# Altium PCB 3-as-manufactured.pcbdoc (part 7 of 12)
Units mil, origin at the board's own origin, x right, y up, seen from the top; angles counter-clockwise.
Board outline 2728 x 2217 mil, 8 copper layers (L1_TOP, L2_GND, L3_INNER1, L4_GND, L5_PWR, L6_INNER2, L7_GND, L8_BOT), stack 48.618 mil thick; 227 components, 321 nets, 1592 pads, 1187 vias.
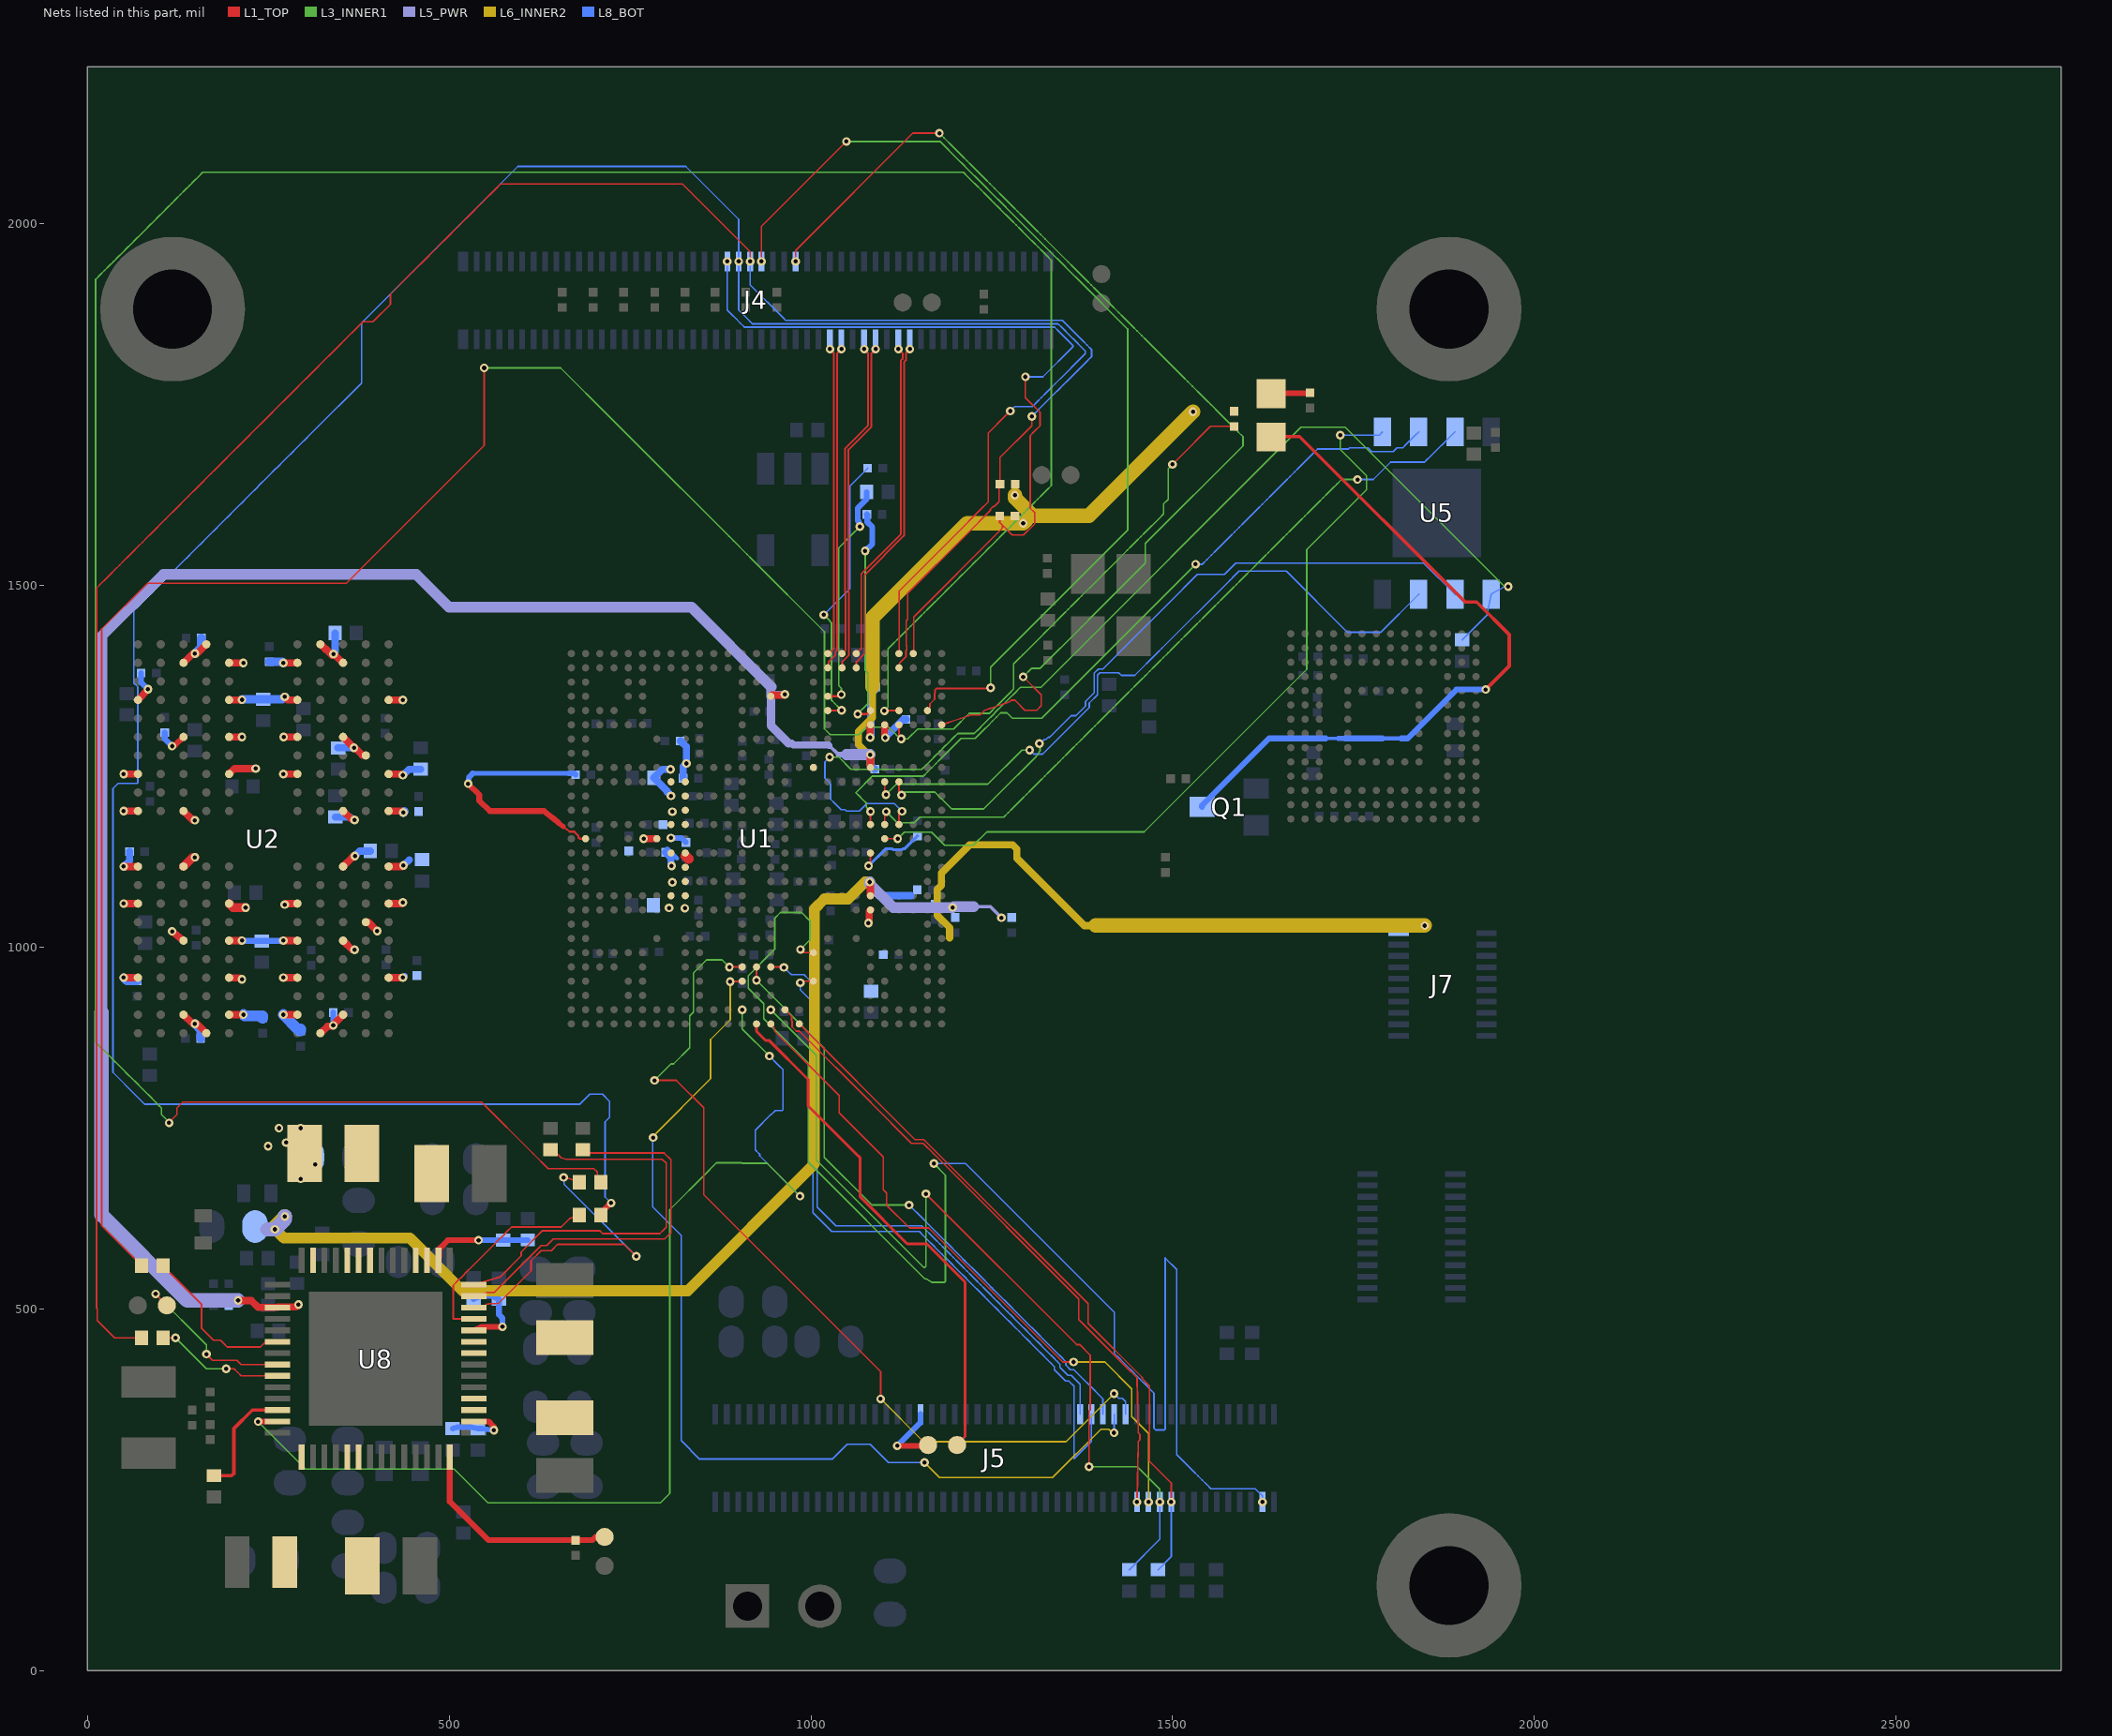
[diagram p13: the nets of this part, all layers, seen from the top]

## Via types
v1: diameter 12, hole 5.9, L1_TOP to L8_BOT, tented both sides, 1041 vias
v2: diameter 18, hole 8, L1_TOP to L8_BOT, tented both sides, 146 vias

## Nets (pads, with @x,y where several pads share a name; then routed paths per layer and width w, separated by ;. In a path a pad name is that pad's centre, name@x,y a point inside that pad or via, vN(x,y) a via of type N, cw(c..) or ccw(c..) an arc to the next point about the centre after c; other vN are vias at no path point) (continued)
JTAG_TDO: J4.52 U1.E26 | length 1395.5
  L1_TOP w2.2: v1(931.76,1947.75) 931.77,1996.19 1042.57,2106.99 v1(1049.09,2113.51) ; U1.E26@1161.11,1327.06 1161.1,1328.88 1164.46,1332.23 1164.46,1336.17 1170.95,1342.67 1170.95,1350.83 1171.56,1351.43 1171.56,1355.6 1173.4,1357.45 1189.84,1357.45 1222.71,1357.45 1239.15,1357.45 1247.37,1357.45 v1(1248.45,1358.53)
  L3_INNER1 w2.2: v1(1049.09,2113.51) 1135.34,2113.51 1169.84,2113.51 1178.47,2113.51 1203.76,2088.21 1210.08,2081.89 1216.41,2075.57 1235.37,2056.6 1241.7,2050.28 1248.02,2043.95 1266.99,2024.98 1273.31,2018.66 1279.64,2012.34 1298.6,1993.37 1304.93,1987.05 1311.25,1980.72 1330.22,1961.75 1336.54,1955.43 1342.87,1949.11 1361.84,1930.14 1368.16,1923.82 1374.48,1917.49 1393.45,1898.52 1399.77,1892.2 1406.1,1885.88 1437.71,1854.26 1437.71,1845.29 1437.71,1791.48 1437.71,1755.6 1437.71,1710.76 1437.71,1580.7 1437.72,1576.21 1248.45,1386.94 v1(1248.45,1358.53)
JTAG_TMS: J4.58 U1.F27 | length 1542.6
  L1_TOP w2.2: v1(979.01,1947.75) 979.01,1963.01 1140.98,2124.98 v1(1177.56,2124.98) ; U1.F27@1180.8,1307.38 1189.32,1310.25 1197.84,1313.13 1206.36,1316 1214.87,1318.87 1217.94,1319.95 cw(c1220.94,1311.46) 1218.13,1320.02 1220.65,1320.84 1221.33,1320.95 1225,1320.95 1233.6,1320.95 1239.63,1326.98 1239.99,1327.34 1240.48,1327.51 1248.94,1330.36 1257.45,1333.23 1265.97,1336.1 1274.49,1338.98 1275.26,1339.74 1276.83,1341.31 1281.92,1341.31 1295.78,1327.45 1312.13,1327.45 1318.37,1333.69 1318.37,1348.68 v1(1293.38,1373.67)
  L3_INNER1 w2.2: v1(1177.56,2124.98) 1183.91,2118.62 1196.63,2105.91 1202.98,2099.55 1209.34,2093.19 1215.69,2086.84 1222.05,2080.48 1228.41,2074.13 1241.12,2061.41 1247.48,2055.06 1253.83,2048.7 1266.54,2035.99 1272.9,2029.63 1279.26,2023.28 1285.61,2016.92 1291.97,2010.56 1298.33,2004.21 1311.04,1991.49 1317.39,1985.14 1323.75,1978.78 1355.53,1947 1361.89,1940.64 1368.25,1934.29 1380.96,1921.58 1387.31,1915.22 1393.67,1908.86 1400.03,1902.51 1406.38,1896.15 1412.74,1889.79 1425.45,1877.08 1431.81,1870.73 1438.16,1864.37 1444.52,1858.01 1450.88,1851.66 1457.23,1845.3 1463.59,1838.94 1469.95,1832.59 1476.3,1826.23 1482.66,1819.88 1495.37,1807.16 1501.73,1800.81 1508.08,1794.45 1514.44,1788.09 1520.8,1781.74 1527.15,1775.38 1539.86,1762.67 1546.22,1756.31 1552.58,1749.96 1565.29,1737.24 1571.65,1730.89 1578,1724.53 1584.36,1718.17 1590.71,1711.82 1597.07,1705.46 1597.07,1692.75 1462.3,1557.97 1462.3,1530.86 1386.47,1455.03 1380.15,1448.71 1373.83,1442.39 1316.96,1385.51 1311.09,1385.51 1305.22,1385.51 v1(1293.38,1373.67)
LX1: L5.1 U8.36 U8.37
LX2: L6.1 U8.45 U8.46
LX3: L10.1 U8.31 U8.32
LX4: L11.1 U8.19 U8.20
LX5: L13.1 U8.15
M.2_32K_OUT: J5.37 R116.2 | length 100.3
  L1_TOP w8.05: v1(1119.23,310.93) 1128.94,310.93 1160.91,310.93 R116.2@1161.97,311.99
  L8_BOT w8.05: v1(1119.23,310.93) 1119.46,310.93 1151.52,342.99 J5.37@1151.53,354.53
NC1: U1.J18
NetC245_1: C245.1 U1.R22 | length 104.8
  L1_TOP w3: v1(1079.64,1112.35) 1082.37,1115.08 U1.R22@1082.37,1130.22
  L8_BOT w4.1: v1(1079.64,1112.35) 1103.14,1135.85 1112.66,1135.85 1113.66,1134.85 1126.14,1134.85 1127.2,1135.91 1129.39,1135.91 C245.1@1147.38,1153.9
NetC268_1: C268.1 U1.D15 | length 40.8
  L1_TOP w10: U1.D15@944.57,1346.75 946.18,1348.36 963.04,1348.36 v1(964,1349.32)
  L8_BOT w10: C268.1@944.2,1350.57 945.2,1349.57 947.2,1349.57 947.45,1349.32 v1(964,1349.32)
NetD1_A: D1.A R125.2 | length 54
  L1_TOP w8.05: D1.A@1636,1765.75 1689.29,1765.75 R125.2@1689.83,1766.27
NetD1_C: D1.C Q1.3 | length 991.9
  L1_TOP w5: D1.C@1636,1705.75 1675.25,1705.75 1904,1477 1920,1477 1965,1432 1965,1388.54 v1(1932.59,1356.13)
  L8_BOT w4.54: 1711.59,1288.59 1728.97,1288.59
  L8_BOT w5.71: 1798.51,1288.59 1815.89,1288.59
  L8_BOT w6.29: 1789.81,1288.59 1798.51,1288.59
  L8_BOT w7.46: 1728.97,1288.59 1737.67,1288.59
  L8_BOT w8.05: Q1.3@1540.53,1194 1540.54,1195.76 1633.37,1288.59 1668.13,1288.59 1711.59,1288.59 ; 1737.67,1288.59 1781.12,1288.59 1789.81,1288.59 ; 1815.89,1288.59 1824.58,1288.59 1892.12,1356.13 v1(1932.59,1356.13)
NetL15_1: L15.1 U8.50 U8.51
NetR7_2: R7.2 U1.P2 | length 357.6
  L1_TOP w2.79: 657.98,1166.64 662.73,1162.81 666.53,1159.74
  L1_TOP w3: 666.53,1159.74 673.06,1159.74 678.82,1153.98 678.82,1151.65 680.58,1149.89 U1.P2@688.67,1149.9
  L1_TOP w6.88: 651.33,1172 657.98,1166.64
  L1_TOP w8.05: v1(526.43,1225.99) 541.81,1210.61 541.81,1202.71 556.43,1188.09 631.4,1188.09 638.04,1182.73 644.69,1177.36 651.33,1172
  L8_BOT w6.88: 532.79,1240.25 665.58,1240.25
  L8_BOT w7.46: 665.58,1240.25 R7.2@673.13,1240.25
  L8_BOT w8.05: v1(526.43,1225.99) 525.97,1226.45 528.08,1235.54 532.79,1240.25 ; R7.2@673.13,1240.25 R7.2@674.93,1238.46
NetR28_1: R28.1 U1.D19 | length 319.4
  L1_TOP w3: U1.D19@1023.31,1346.75 1039.36,1346.75 1041.72,1349.11 v1(1042.09,1349.11)
  L3_INNER1 w2.2: v1@1042.11,1349.11 1042.09,1357.79 1038.49,1361.39 1038.49,1370.05 1038.49,1378.71 1038.49,1387.37 1038.49,1396.03 1038.49,1404.69 1038.49,1413.35 1038.49,1422 1038.49,1430.66 1038.49,1439.32 1038.49,1447.98 1038.49,1456.64 1038.49,1465.3 1038.49,1473.95 1038.49,1482.61 1038.49,1491.27 1038.49,1499.93 1038.49,1508.59 1038.49,1517.25 1038.49,1525.9 1038.49,1534.56 1038.49,1543.22 1038.49,1551.88 1044.38,1557.77 1050.27,1563.66 1056.16,1569.55 1067.52,1580.91 v1(1067.52,1581.29)
  L8_BOT w8.05: v1(1067.52,1581.29) 1066.77,1582.05 1066.77,1587.61 1064.8,1589.58 1064.8,1606.99 1077.22,1619.41 R28.1@1077.24,1629
NetR29_1: R29.1 U1.E19 | length 389.5
  L1_TOP w2.2: U1.E19@1023.31,1327.06 1042.27,1327.06 v1(1042.59,1327.38)
  L3_INNER1 w2.2: v1(1017.74,1459.28) 1024.16,1452.86 1028.37,1448.65 1028.37,1439.73 1028.37,1430.81 1028.37,1421.89 1028.37,1412.97 1028.37,1404.04 1028.37,1395.12 1028.37,1386.2 1028.37,1377.28 1028.37,1368.36 1028.37,1359.44 1028.37,1350.51 1028.37,1341.59 1033.1,1336.86 1037.84,1332.12 v1(1042.59,1327.38)
  L8_BOT w2.2: v1(1017.74,1459.28) 1025.9,1467.44 1053.73,1495.27 1053.73,1637.24 R29.1@1078.49,1662
NetR30_1: R30.1 U1.E22 | length 310.1
  L1_TOP w3: v1(1064.78,1322.36) 1077.67,1322.36 U1.E22@1082.37,1327.06
  L3_INNER1 w2.2: v1(1064.78,1322.36) 1070.47,1328.05 1078.84,1336.42 1078.84,1378.65 1075.08,1382.41 1075.08,1537.44 v1(1075.08,1547.54)
  L8_BOT w8.05: v1(1075.08,1547.54) 1085,1557.46 1085,1570 1085,1580.53 1078.08,1587.46 1078.08,1597.59 R30.1@1077.38,1598.3
NetR48_2: R48.2 U8.41 | length 535.4
  L1_TOP w2.2: U8.41@534.51,517.85 552.04,523.04 562.4,523.04 627.04,587.68 634.83,587.68 644.02,596.86 745.08,596.86 745.25,596.69 797.79,596.69 797.92,596.69 806.7,605.47 806.7,614.25 806.7,623.02 806.7,631.79 806.7,640.57 806.7,649.34 806.7,658.12 806.7,666.89 806.7,675.67 806.7,684.44 806.7,693.21 806.7,706.08 797.78,715 797.17,715.61 689.63,715.61 R48.2@685,720.24
NetR51_2: R51.2 U8.39 | length 288.5
  L1_TOP w2.2: 505.89,486.36 U8.39@534.52,486.35 ; 505.89,486.37 505.89,494.12 505.89,501.87 505.89,509.61 505.89,517.36 505.89,525.11 505.89,532.86 512.07,539.05 518.26,545.23 524.44,551.42 530.63,557.6 536.81,563.79 543,569.97 549.18,576.16 555.37,582.35 561.56,588.53 567.74,594.72 573.93,600.9 580.11,607.09 586.3,613.27 594.88,613.27 603.46,613.27 612.03,613.27 620.61,613.27 629.19,613.27 637.77,613.27 646.35,613.27 654.93,613.27 666.63,624.97 R51.2@680.24,630
NetR52_2: R52.2 U8.40 | length 449.7
  L1_TOP w2.2: U8.40@534.52,502.1 548.03,502.11 550.92,505 550.92,505.45 552.21,506.74 554.96,506.74 555.52,507.3 568,507.3 613.4,552.7 613.4,566.69 627.31,580.6 641.3,580.6 650.13,589.42 658.79,589.42 667.46,589.42 676.13,589.42 684.79,589.42 693.46,589.42 702.13,589.42 710.79,589.42 719.46,589.42 742,589.42 v1@758.72,572.71 ; v1(658.41,681.97) 661.3,682 R52.2@680.24,675
  L8_BOT w2.2: v1(658.41,681.97) 659.16,681.21 659.16,672.38 v1(758.84,572.71)
NetR54_2: R54.2 U8.42 | length 551.1
  L1_TOP w2.2: U8.42@534.52,533.59 569.76,544.03 570.3,544.19 570.69,544.59 599.72,573.62 599.72,578.87 629.15,608.3 708.31,608.3 712.31,604.3 791.48,604.3 795.57,608.4 800.01,612.84 800.01,621.72 800.01,630.6 800.01,639.47 800.01,648.35 800.01,657.23 800.01,666.1 800.01,674.98 800.01,683.86 800.01,692.74 800.01,701.61 794.53,707.09 785.69,707.09 776.86,707.09 768.02,707.09 759.18,707.09 750.35,707.09 741.51,707.09 732.68,707.09 723.84,707.09 715,707.09 706.17,707.09 697.33,707.09 688.49,707.09 679.66,707.09 670.82,707.09 661.98,707.09 655.26,709.11 649.37,715 R54.2@645.98,718.4
NetR55_2: R55.2 R106.2 U8.28 | length 285.9
  L1_TOP w8.05: U8.28@501.05,281.92 501.05,233.95 554.49,180.51 R106.2@675,180.51 697.91,180.51 702.4,185 R55.2@715,185
NetR108_1: R108.1 U1.F22 | length 90.4
  L1_TOP w10: v1(1082.05,1289.86) 1082.05,1307.06 U1.F22@1082.37,1307.38
  L8_BOT w10: v1(1082.05,1289.86) 1082.89,1290.7 1082.89,1349.4 1089.89,1356.4 R108.1@1089.89,1359.39
NetR109_1: R109.1 U1.F23 | length 57.4
  L1_TOP w10: U1.F23@1102.05,1307.38 1102.05,1290.4 v1(1102.9,1289.55)
  L8_BOT w10: v1(1102.9,1289.55) 1102.9,1289.93 1127.87,1314.9 R109.1@1131.38,1314.9
NetR111_1: R111.1 U8.6 | length 226.7
  L1_TOP w2.2: R111.1@104.76,560 157.9,506.87 157.9,473.56 174.52,456.94 184.04,456.94 188.74,452.25 193.43,447.55 201.09,447.55 208.75,447.55 216.4,447.55 224.06,447.55 231.71,447.55 239.37,447.55 245.35,453.53 U8.6@262.86,454.85
NetR114_1: R114.1 U8.9 | length 180.1
  L1_TOP w2.2: R114.1@104.76,460 121.75,460 v1(122.09,460.33) ; v1(192.06,417.54) 202.9,417.54 207.87,412.58 212.83,407.62 221.17,407.62 229.5,407.62 237.84,407.62 246.18,407.62 254.52,407.62 U8.9@262.86,407.61
  L3_INNER1 w2.2: v1(122.09,460.33) 164.88,417.54 v1(192.06,417.54)
NetR127_2: R127.2 U8.8 | length 238.3
  L1_TOP w2.2: v1(94.54,520.82) 99.7,515.67 104.85,510.52 109.84,505.53 109.84,505.16 R127.2@110,505 ; v1(164.95,437.72) 173.43,429.23 181.79,429.23 190.15,429.23 198.51,429.23 206.87,429.23 212.73,423.37 U8.8@262.86,423.36
  L3_INNER1 w2.2: v1(94.54,520.82) 164.95,450.42 v1(164.95,437.72)
NetR146_2: R146.2 U8.12 | length 161.7
  L1_TOP w5: R146.2@175,269.76 199.6,269.76 202.52,272.69 202.52,334.66 228.24,360.37 U8.12@262.86,360.36
NVCC_DRAM_1V1: C88.1 C89.1 C90.1 C91.1 C92.1 C93.1 C94.1 C95.1 C110.1 C111.1 C112.1 C113.1 C114.1 C115.1 C117.1 C118.1 C119.1 C324.1 C373.1 C374.1 C375.1 C376.1 C378.1 C379.1 C380.1 C381.1 C382.1 L15.2 R5.1 R6.1 U1.K8 U1.K9 U1.L9 U1.M9 U1.N8 U1.N9 U1.P7 U1.R8 U1.R9 U1.T9 U1.U9 U1.V8 U1.V9 U2.A4 U2.A9 U2.AA3 U2.AA5 U2.AA8 U2.AA10 U2.AB4 U2.AB9 U2.B3 U2.B5 U2.B8 U2.B10 U2.D1 U2.D5 U2.D8 U2.D12 U2.F3 U2.F5 U2.F8 U2.F10 U2.G2 U2.H1 U2.H5 U2.H8 U2.H12 U2.K1 U2.K3 U2.K10 U2.K12 U2.N1 U2.N3 U2.N10 U2.N12 U2.R1 U2.R5 U2.R8 U2.R12 U2.T2 U2.U3 U2.U5 U2.U8 U2.U10 U2.W1 U2.W5 U2.W8 U2.W12 U8.52 | length 1672.4
  L1_TOP w8: v1(117.34,1277.85) 118.68,1279.19 121.63,1279.19 U2.U10@133.09,1290.65
  L1_TOP w10: v1(50.41,957.97) U2.D12@70.1,957.97 ; v1(50.41,1060.33) U2.H12@70.1,1060.33 ; v1(50.41,1111.51) U2.K12@70.1,1111.51 ; v1(50.41,1188.29) U2.N12@70.1,1188.29 ; v1(50.41,1239.47) U2.R12@70.1,1239.47 ; U2.W12@70.1,1341.83 84.04,1355.77 v1(84.04,1356.43) ; v1(117.34,1021.95) U2.F10@133.09,1009.15 ; U2.B10@133.09,906.79 145.89,893.99 v1(148.84,893.99) 151.8,893.99 U2.A9@164.59,881.2 ; U2.N10@133.09,1188.29 145.89,1175.49 v1(148.84,1175.49) ; U2.AA10@133.09,1393.01 145.89,1405.81 v1(148.84,1405.81) 151.8,1405.81 U2.AB9@164.59,1418.6 ; U2.B8@196.09,906.79 v1(215.77,906.79) ; U2.D8@196.09,957.97 196.38,957.68 210.42,957.68 212.49,955.61 v1(213.84,955.61) ; U2.F8@196.09,1009.15 v1(213.84,1009.15) ; U2.R8@196.09,1239.47 203.52,1246.9 v1(232.65,1246.9) ; U2.U8@196.09,1290.65 v1(213.84,1290.65) ; U2.W8@196.09,1341.83 213.64,1341.83 v1(213.84,1342.03) ; U2.AA8@196.09,1393.01 v1(215.77,1393.01) ; v1(270.89,906.79) U2.B5@290.57,906.79 ; v1(270.89,957.97) U2.D5@290.57,957.97 ; v1(270.89,1009.15) U2.F5@290.57,1009.15 ; v1(270.89,1239.47) U2.R5@290.57,1239.47 ; v1(270.89,1393.01) U2.AA5@290.57,1393.01 ; v1(271.39,1290.65) U2.U5@290.57,1290.65 ; v1(272.81,1346) 276.98,1341.83 U2.W5@290.57,1341.83 ; v1(272.88,1058.86) 274.35,1060.33 U2.H5@290.57,1060.33 ; U2.A4@322.07,881.2 322.48,881.2 332.32,891.04 339.04,891.04 v1(340,892) 340,892.81 353.57,906.38 U2.B3@353.57,906.79 ; U2.AB4@322.07,1418.6 322.48,1418.6 329.12,1411.96 329.92,1411.96 v1@338.46,1403.42 ; v1(340.21,1405.21) 340.97,1405.21 353.16,1393.01 U2.AA3@353.57,1393.01 ; U2.F3@353.57,1009.15 366.36,996.36 v1(369.31,996.36) ; U2.K3@353.57,1111.51 366.37,1124.31 368.06,1124.31 v1(369.83,1126.08) ; U2.N3@353.57,1188.29 364.81,1177.05 368.16,1177.05 v1(369.31,1175.91) ; U2.U3@353.57,1290.65 v1(368.56,1275.66) 369.91,1275.66 380.23,1265.35 384.77,1265.35 U2.T2@385.06,1265.06 ; U2.G2@385.06,1034.74 388.61,1034.74 v1(400.81,1022.54) ; U2.D1@416.56,957.97 v1(436.24,957.97) ; U2.H1@416.56,1060.33 434.64,1060.33 v1(436.35,1062.04) ; U2.K1@416.56,1111.51 434.71,1111.51 436.14,1112.94 v1(437.04,1112.94) ; U2.N1@416.56,1188.29 434.71,1188.29 v1(436.83,1186.17) ; U2.R1@416.56,1239.47 434.64,1239.47 v1(436.35,1237.76) ; U2.W1@416.56,1341.83 v1(436.24,1341.83) ; v1(768.89,1149.9) U1.P7@787.09,1149.9
  L1_TOP w12: U2.K10@133.09,1111.51 145.89,1124.31 v1(148.84,1124.31) ; U2.H8@196.09,1060.33 201.52,1054.9 v1(218.89,1054.9)
  L1_TOP w13.72: U1.R9@826.63,1126.24 830.99,1121.88
  L8_BOT w5.79: C93.1@801.29,1136.65 803.02,1134.91 815.08,1122.86
  L8_BOT w8: C373.1@74.38,1378.9 74.38,1366.09 v1(84.04,1356.43) ; C375.1@107.2,1296.78 107.2,1287.99 v1(117.34,1277.85) ; v1(213.84,1009.15) 214.33,1008.66 C115.1@241.39,1008.66 270.4,1008.66 v1(270.89,1009.15) ; v1(340,892) C379.1@340.03,909.53 ; v1(436.24,957.97) v1@438.94,960.67 ; v1(806.78,1151.05) 821.12,1151.05 C90.1@827.25,1144.92
  L8_BOT w10: v1(50.41,1111.51) 58.45,1119.55 C374.1@58.45,1132.26 ; v1(340.21,1405.21) 340.21,1406.56 342.47,1408.82 C112.1@342.47,1434.05 ; C111.1@343,1179.89 363.7,1179.89 367.69,1175.91 v1(369.31,1175.91) ; C118.1@346.54,1275.44 368.34,1275.44 v1(368.56,1275.66) ; v1(369.83,1126.08) 376.65,1132.9 C117.1@391.13,1132.9 ; v1(436.35,1237.76) 444.58,1245.99 C113.1@460.86,1245.99 ; v1(437.04,1112.94) 445.07,1120.97 ; C93.1@799.22,1131.11 806.78,1123.55 806.78,1113.14 v1(807.54,1112.38) ; v1(805.89,1245.9) 794.91,1245.9 C89.1@783.01,1234 801.89,1215.12 801.89,1214.03 v1(806.78,1209.14) ; C94.1@820,1285 827.89,1277.11 v1(827.89,1253.9) 823.38,1249.39 C95.1@823.38,1233.61
  L8_BOT w12: v1(50.41,957.97) 54.97,953.41 C381.1@68.89,953.41 ; v1(148.84,893.99) 156.7,886.13 C380.1@156.7,873.63 ; v1(148.84,1405.81) 157.53,1414.5 C114.1@157.53,1427.27 ; v1(213.84,1342.03) 214.47,1342.66 C110.1@242.89,1342.66 269.47,1342.66 v1(272.81,1346) ; C378.1@251.62,1394.46 269.44,1394.46 v1(270.89,1393.01) ; v1(436.83,1186.17) v1@438.05,1187.39
  L8_BOT w15: v1(215.77,906.79) 217.33,905.23 242.62,905.23 R6.1@242.62,902.24 ; v1(270.89,906.79) 290.53,887.15 294.98,887.15 R5.1@294.98,884.16
  other v1: 295,680 315,700 250,725 275,730 265,750 295,750 825.89,1053.9 804.18,1054.36 808.62,1089.9 808.72,1187.34
NVCC_ENET: C2.1 C392.1 J7.19 U1.W22 | length 855.9
  L1_TOP w10: v1(1079.61,1033.53) 1080.57,1034.49 1080.57,1049.68 U1.W22@1082.37,1051.48
  L6_INNER2 w8.96: v1@1079.51,1033.43 v1(1079.61,1033.53)
  L6_INNER2 w10: 1191.79,1012.85 1191.79,1026.96 1174.64,1044.1 1174.64,1079.64 1180.52,1085.52 1180.52,1102.39 1219.58,1141.45 1278.68,1141.45 1284.54,1135.59 1284.54,1123.14 1377.84,1029.84 1393.61,1029.84
  L6_INNER2 w20.06: 1393.61,1029.84 v1(1848.35,1029.84)
NVCC_SD2: C17.1 C365.1 R119.1 R120.1 R133.1 U1.V22 U8.55 | length 1647.4
  L1_TOP w10: v1(1081.23,1090.09) 1082.37,1088.95 U1.V22@1082.37,1071.16
  L5_PWR w5: 1225,1056.11 1247.97,1056.11 v1(1263.31,1040.77)
  L5_PWR w15: v1(1081.23,1090.09) 1081.23,1087.56 1113.79,1055 v1(1196,1055) 1197.11,1056.11 1225,1056.11
  L5_PWR w20: 248.9,610.14 v1(259.42,610.14) 273.24,623.97 v1(273.24,627.82)
  L6_INNER2 w15: v1(259.42,610.14) 271.56,598 445.78,598 518.51,525.27 829.82,525.27 1005,700.45 1005,715 1005,1052.91 1018.79,1066.69 1051.59,1066.69 1074.99,1090.09 v1(1081.23,1090.09)
  L6_INNER2 w20: v1(259.42,610.14) 259.42,613.99 v1(273.24,627.82)
  L8_BOT w10: v1(1081.23,1090.09) 1081.23,1084.16 1094.14,1071.25 1138.34,1071.25
NVCC_SNVS_1V8: C333.1 C391.1 R20.1 R21.1 R102.1 U1.J22 U8.3 | length 3204.4
  L1_TOP w10: v1(208.52,511.92) 208.91,511.54 226.9,511.54 236.34,502.1 U8.3@262.86,502.1 263.6,502.84 288.3,502.84 291.46,506 v1(292,506) ; v1(1082.17,1266.18) 1082.37,1265.98 U1.J22@1082.37,1248.32
  L5_PWR w5: 1025.63,1278.72 1038.17,1266.18
  L5_PWR w7.4: 1038.17,1266.18 1048.82,1266.18
  L5_PWR w8.82: 1024.79,1278.72 1025.63,1278.72
  L5_PWR w10: 969.21,1281.85 973.44,1281.85 975.72,1279.56 1023.95,1279.56 1024.79,1278.72
  L5_PWR w12: 945,1360 945,1306.06 969.21,1281.85 969.42,1281.85
  L5_PWR w15: 20,910 20,1430 105,1515 455,1515 500,1470 835,1470 945,1360 ; 1048.82,1266.18 v1(1082.17,1266.18)
  L5_PWR w20: 20,910 20,630 138.08,511.92 v1(208.52,511.92)
  L6_INNER2 w10: v1(1082.17,1266.18) 1080.82,1266.18 1078.32,1268.68 1077.2,1268.68 1065.65,1280.23 1065.65,1298.01 1085,1317.36 1085,1360
  L6_INNER2 w20: 1085,1360 1085,1455 1215.83,1585.83 v1(1293.4,1585.83)
  L6_INNER2 w20.06: v1(1281.78,1624.87) 1281.78,1621.02 1306.42,1596.37 ; v1(1293.4,1585.83) 1303.94,1596.37 1306.42,1596.37 ; v1(1527.96,1739.97) 1384.36,1596.37 1306.42,1596.37
  L8_BOT w10: v1(1082.17,1266.18) 1082.17,1252.28 C391.1@1088.43,1246.02
ONOFF: J4.46 R21.2 U1.A25 | length 1168.8
  L1_TOP w2.2: U1.A25@1141.43,1405.81 1141.8,1406.17 1141.8,1407.39 1142.19,1407.77 1142.19,1414.05 1142.19,1418.6 1142.09,1418.69 1142.09,1456.4 1264.73,1579.04 1264.73,1583.19 ; R21.2@1261.04,1596.05 1261.04,1586.88 1264.73,1583.19 ; v1(1296.5,1788.26) 1296.5,1759.5 1316.79,1739.21 1316.79,1720.67 1308.76,1712.65 1303.07,1706.95 1303.07,1698.59 1303.07,1690.23 1303.07,1681.88 1303.07,1673.52 1303.07,1665.16 1303.07,1656.8 1303.07,1648.44 1303.07,1640.08 1303.07,1631.72 1303.07,1623.36 1303.07,1615.01 1303.07,1606.65 1309.1,1600.62 1309.1,1593.2 1309.1,1584.98 1293.83,1569.72 1285.61,1569.72 1278.2,1569.72 1266.8,1581.11 1264.73,1583.19
  L8_BOT w2.2: v1(884.52,1947.75) 884.43,1880.6 890.37,1874.67 896.29,1868.75 902.22,1862.82 908.15,1856.89 917.08,1856.89 926.01,1856.89 934.94,1856.89 943.87,1856.89 952.8,1856.89 961.73,1856.89 970.66,1856.89 979.59,1856.89 988.52,1856.89 997.45,1856.89 1006.38,1856.89 1015.31,1856.89 1024.24,1856.89 1033.17,1856.89 1042.11,1856.89 1051.04,1856.89 1059.97,1856.89 1068.9,1856.89 1077.83,1856.89 1086.76,1856.89 1095.69,1856.89 1104.62,1856.89 1113.55,1856.89 1122.48,1856.89 1131.41,1856.89 1140.34,1856.89 1149.27,1856.89 1158.2,1856.89 1167.13,1856.89 1176.07,1856.89 1185,1856.89 1193.93,1856.89 1202.86,1856.89 1211.79,1856.89 1220.72,1856.89 1229.65,1856.89 1238.58,1856.89 1247.51,1856.89 1256.44,1856.89 1265.37,1856.89 1274.3,1856.89 1283.23,1856.89 1292.16,1856.89 1301.09,1856.89 1310.02,1856.89 1318.96,1856.89 1327.89,1856.89 1336.82,1856.89 1343.16,1850.55 1349.5,1844.21 1355.84,1837.87 1362.18,1831.53 1362.18,1829.87 1320.57,1788.26 v1(1296.5,1788.26)
PCIE_CLK_N: J4.75 U1.A21 | length 449.6
  L1_TOP w2.5: U1.A21@1062.69,1405.81 1069.62,1412.74 1069.62,1515.98 1072.26,1518.62 1124.25,1570.61 1124.25,1810.33 1126.86,1812.94 1126.86,1820.68 1121.39,1826.15 v1@1120.97,1826.15
  other v1: 1120.99,1826.55
PCIE_CLK_P: J4.77 U1.B21 | length 471.1
  L1_TOP w2.5: U1.B21@1062.69,1386.12 1062.92,1386.35 1062.92,1394.37 1074.12,1405.57 1074.12,1514.12 1128.75,1568.75 1128.75,1808.47 1131.36,1811.08 1131.36,1821.17 v1(1136.74,1826.55)
PCIE_RX_N: J4.63 U1.A19 | length 427.4
  L1_TOP w2.5: U1.A19@1023.31,1405.81 1025.34,1405.81 1027.99,1408.46 ; v1@1026.48,1826.15 1026.9,1826.15 1031.66,1821.39 1031.66,1570.15 1031.66,1412.5 1029.5,1410.34 1029.5,1409.93 1028.03,1408.46
  other v1: 1026.5,1826.55
PCIE_RX_P: J4.65 U1.B19 | length 448.1
  L1_TOP w2.5: U1.B19@1023.31,1386.12 1024.34,1387.15 1024.34,1394.37 1034,1404.03 1034,1408.47 1036.16,1410.64 1036.16,1570.15 1036.16,1820.46 1041.85,1826.15 v1@1042.23,1826.15